# Altium PCB controller_V1.3.PcbDoc (part 6 of 6)
Units mil, origin at the board's own origin, x right, y up, seen from the top; angles counter-clockwise.
Board outline 9606 x 5905.51 mil, 2 copper layers (Top Layer, Bottom Layer); 441 components, 367 nets, 1496 pads, 5349 vias.
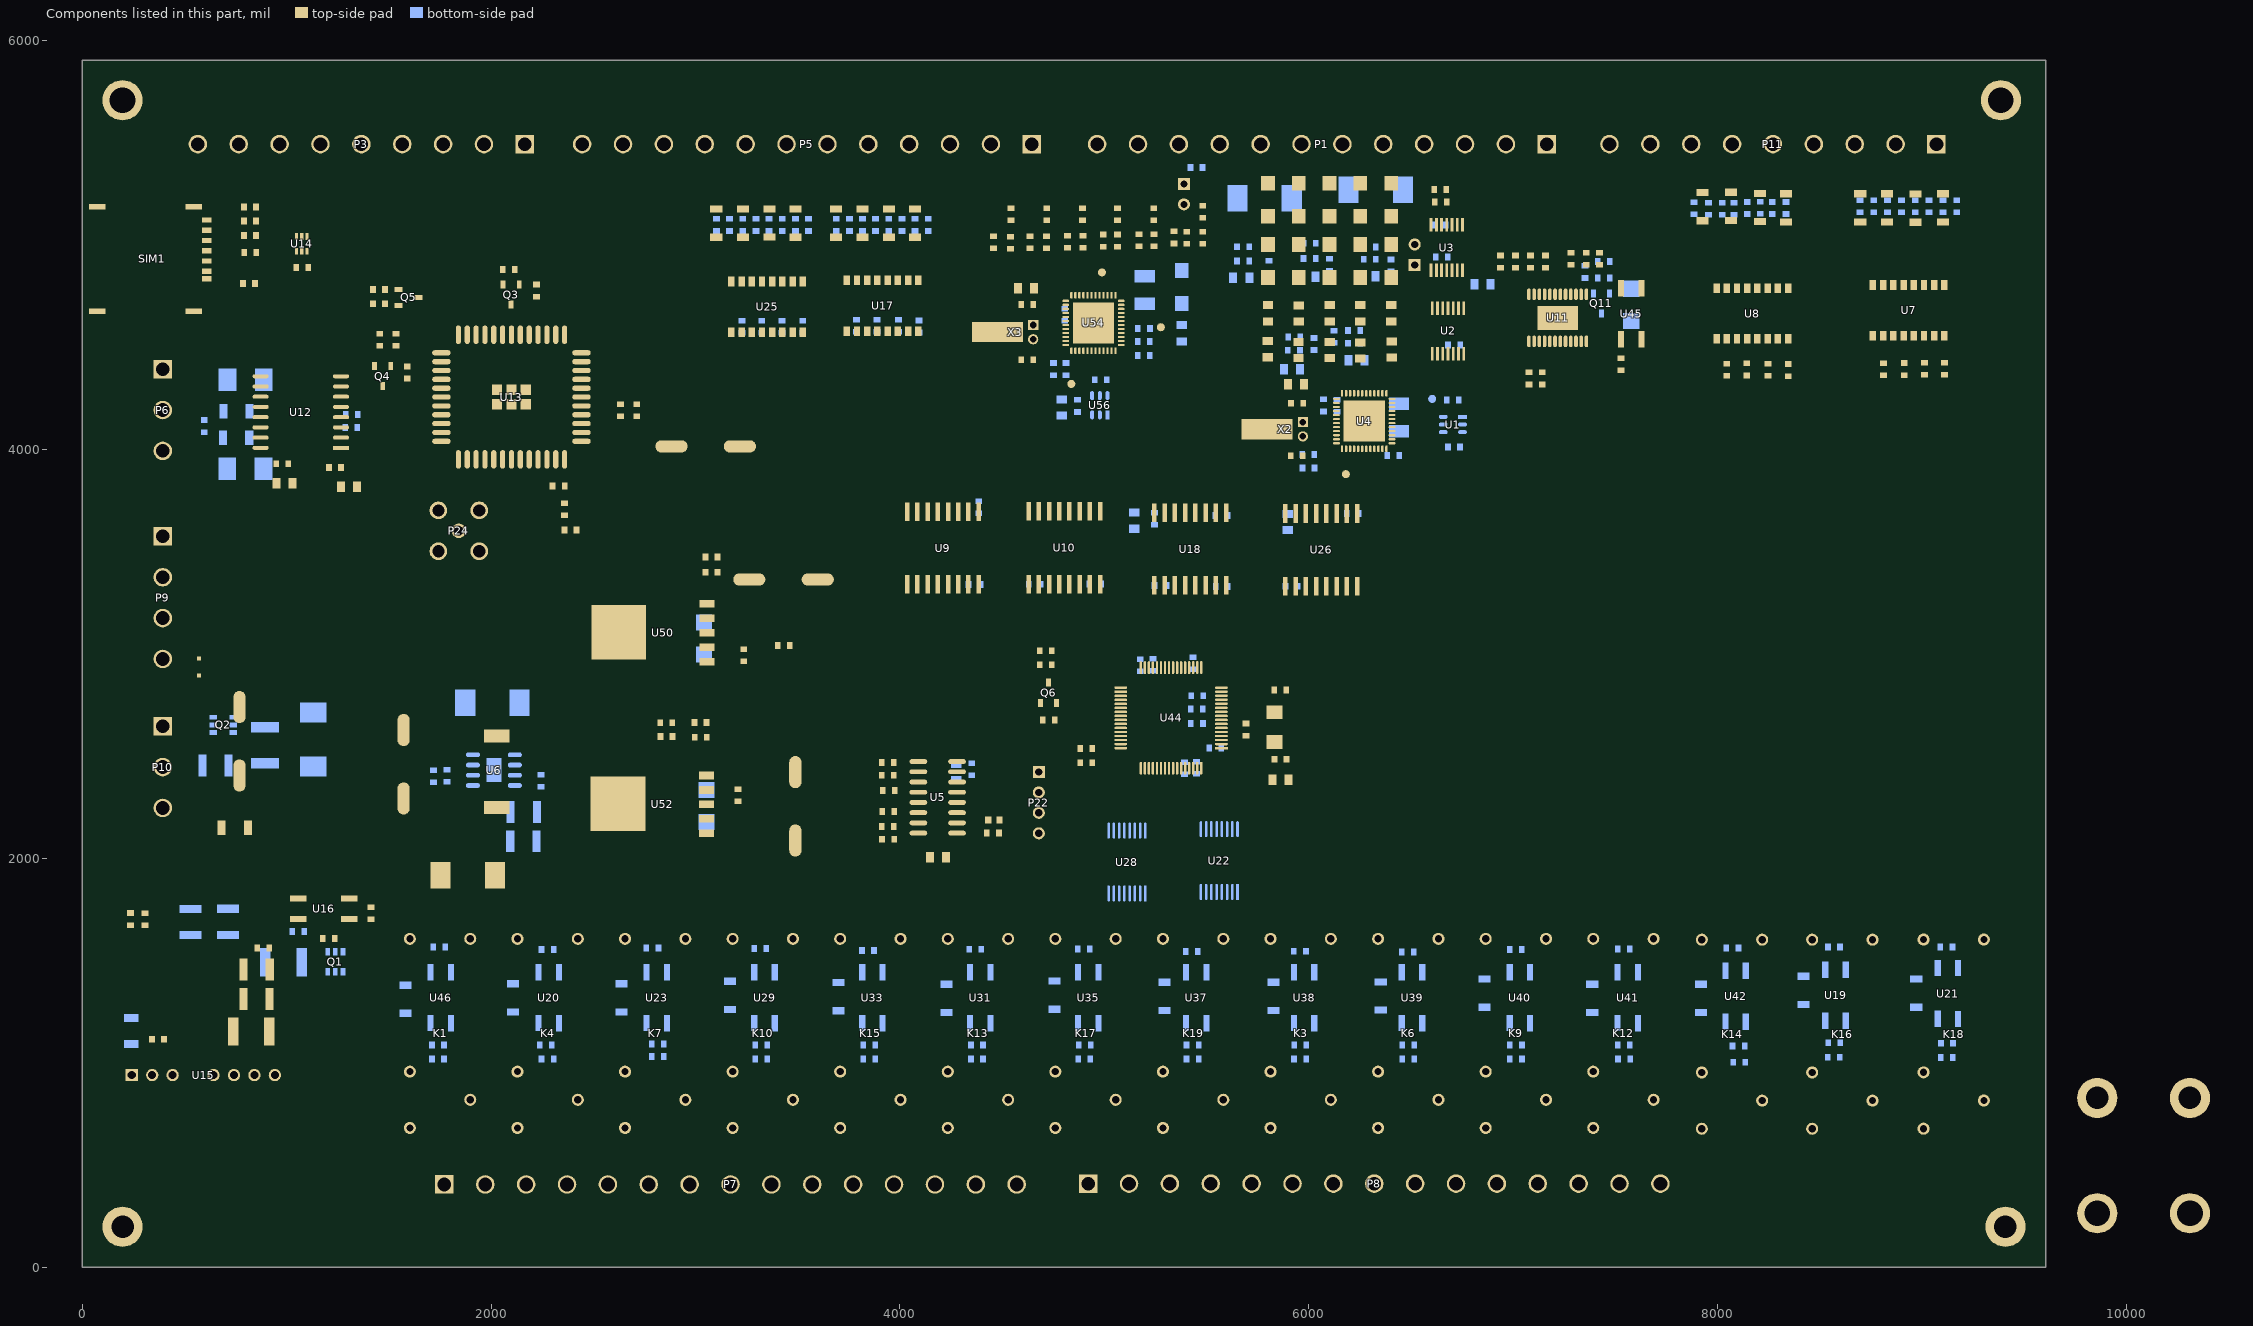
[diagram p6: the components of this part, seen from the top]

## Other copper
Top Layer:
  rectangle net NetC137_1: 1839,2557 1971,2605
  rectangle net NetC137_1: 1839,2605 1945,2657
  rectangle net NetC137_1: 1839,2569 2076,2632
  rectangle net 24V_IN: 740,2321 1205,2517
  region net VBAT: 2373,4400 2544,4400 2580,4364 2580,4193 2591.61,4181.39 2859.61,4181.39 2986,4055 2986,3973 2971,3958 2756,3958 2534,4180 2534,4273 2477,4330 2469,4330 2388,4330 2373,4345
  pour cut-out: 1776,3547 2394,3547 2394,3885.87 2331,3885.87 2331,3657 1776,3657
  region net VCC_5V_ISO: 2092.59,2369.29 2270.71,2369.29 2283,2357 2283,2017 2268,2002 2195,2002 2174,2023 2174,2208 2159.59,2222.41 1963.59,2222.41 1950,2236 1950,2283 1964,2297 2067,2297 2081,2311 2081,2357.03 2092.59,2368.62
Bottom Layer:
  region net 24V_FO: 1227.07,1566.62 1227.07,1424.24 1230.36,1420.95 1308.95,1420.95 1323,1435 1323,1540 1350,1567 1347,1570 1347,1624 1343,1624 1325,1642 1324,1641 1260,1641 1238,1619 1238,1566.62
  region net 24V_F: 1158.77,1567.77 1169,1578 1204.83,1578 1221,1561.83 1221,1496.47 1201.53,1477 1160,1477 1097.23,1414.23 1039.54,1414.23 1040.53,1415.22 1040.53,1567.77
  region net VCC_5V_ISO: 2086.8,2362.83 2276.54,2362.83 2276.86,2363.14 2278,2362 2278,2012 2268,2002 2195,2002 2179,2018 2179,2298 2135.25,2341.75 2086.25,2341.75 2081,2347 2081,2357.03
  region net NetC137_1: 1874,2494 1940,2494 1946,2500 1946,2825 1932,2839 1809,2839 1793,2823 1793,2631 1867,2557 1867,2501
  region net 24V_IN: 1191,2520 1209,2502 1209,2341 1191,2323 749,2323 686,2386 686,2518 688,2520
  region net NetF1_1: 956,2706 973,2689 973,2620 964,2611 822,2611 754,2679 718,2679 718,2704 720,2706
  region net NetP10_1: 486,2692 512,2667 757,2667 765,2659 765,2604 757,2596 333,2596 324,2605 324,2680 336,2692

## Silkscreen, mask and mechanical layers (free items; w line width, h text height)
Top Overlay:
  text "COM" at 553,6182 h60 r270
  text "DI8" at 761.09,6182 h60 r270
  text "DI7" at 969.17,6182 h60 r270
  text "DI6" at 1177.26,6182 h60 r270
  text "DI5" at 1385.35,6182 h60 r270
  text "DI4" at 1593.43,6182 h60 r270
  text "DI3" at 1801.52,6182 h60 r270
  text "DI2" at 2009.61,6182 h60 r270
  text "DI1" at 2217.7,6182 h60 r270
  text "PT62" at 2425.78,6182 h60 r270
  text "PT61" at 2633.87,6182 h60 r270
  text "PT52" at 2841.96,6182 h60 r270
  text "PT51" at 3050.04,6182 h60 r270
  text "PT42" at 3258.13,6182 h60 r270
  text "PT41" at 3466.22,6182 h60 r270
  text "PT32" at 3674.3,6182 h60 r270
  text "PT31" at 3882.39,6182 h60 r270
  text "PT22" at 4090.48,6182 h60 r270
  text "PT21" at 4298.56,6182 h60 r270
  text "PT12" at 4506.65,6182 h60 r270
  text "PT11" at 4714.74,6182 h60 r270
  text "GND" at 4922.82,6182 h60 r270
  text "NC" at 5130.91,6182 h60 r270
  text "24V" at 5339,6182 h60 r270
  text "NC" at 5547.09,6182 h60 r270
  text "NC" at 5755.17,6182 h60 r270
  text "NC" at 5963.26,6182 h60 r270
  text "AI5" at 6171.35,6182 h60 r270
  text "AI4" at 6379.43,6182 h60 r270
  text "AI3" at 6587.52,6182 h60 r270
  text "AI2" at 6795.61,6182 h60 r270
  text "AI1" at 7003.69,6182 h60 r270
  text "NC" at 7211.78,6182 h60 r270
  text "COM" at 7419.87,6182 h60 r270
  text "DI9" at 7627.95,6182 h60 r270
  text "DI9" at 7836.04,6182 h60 r270
  text "DI9" at 8044.13,6182 h60 r270
  text "DI9" at 8252.22,6182 h60 r270
  text "DI9" at 8460.3,6182 h60 r270
  text "DI9" at 8668.39,6182 h60 r270
  text "DI9" at 8876.48,6182 h60 r270
  text "DI9" at 9084.56,6182 h60 r270
  text "GND" at -465,4370 h60
  text "485_B" at -465,4181 h60
  text "485_A" at -465,3983 h60
  text "GND" at -465,3565.41 h60
  text "DI9" at -465,3339.5 h60
  text "RT" at -465,3113.6 h60
  text "RR" at -465,2887.7 h60
  text "VIN(24V)" at -465,2661.8 h60
  text "Ctrl Board V1.3" at 7212,2650 h100
  text "GND" at -465,2435.9 h60
  text "3.3V" at 4450,2403 h40
  text "SWDIO" at 4764,2319 h40
  text "GND" at 4764,2217 h40
  text "EARTH" at -465,2210 h60
  text "SWCLK" at 4764,2112 h40
  text "DO15" at 1990,-63 h60 r270
  text "DO14" at 2398.71,-63 h60 r270
  text "DO13" at 2807.43,-63 h60 r270
  text "DO12" at 3216.14,-63 h60 r270
  text "DO11" at 3624.86,-63 h60 r270
  text "DO10" at 4033.57,-63 h60 r270
  text "DO9" at 4442.29,-63 h60 r270
  text "DO8" at 4851,-63 h60 r270
  text "DO7" at 5259.71,-63 h60 r270
  text "DO6" at 5668.43,-63 h60 r270
  text "DO5" at 6077.14,-63 h60 r270
  text "DO4" at 6485.86,-63 h60 r270
  text "DO3" at 6894.57,-63 h60 r270
  text "DO2" at 7303.28,-63 h60 r270
  text "DO1" at 7712,-63 h60 r270
Bottom Overlay:
  text "GND" at 153,3082 h40
Mechanical 1:
  lines w5: -1256.25,-8664.02 ccw(c-1177.51,-8664.02) -1177.51,-8742.76 ; 9846.11,-8742.76 ccw(c9846.11,-8664.02) 9924.85,-8664.02
  lines w10: 9606,0 0,0 0,5905.51 9606.3,5905.51 9606.3,0